# KiCad board Stima V4 Master.kicad_pcb
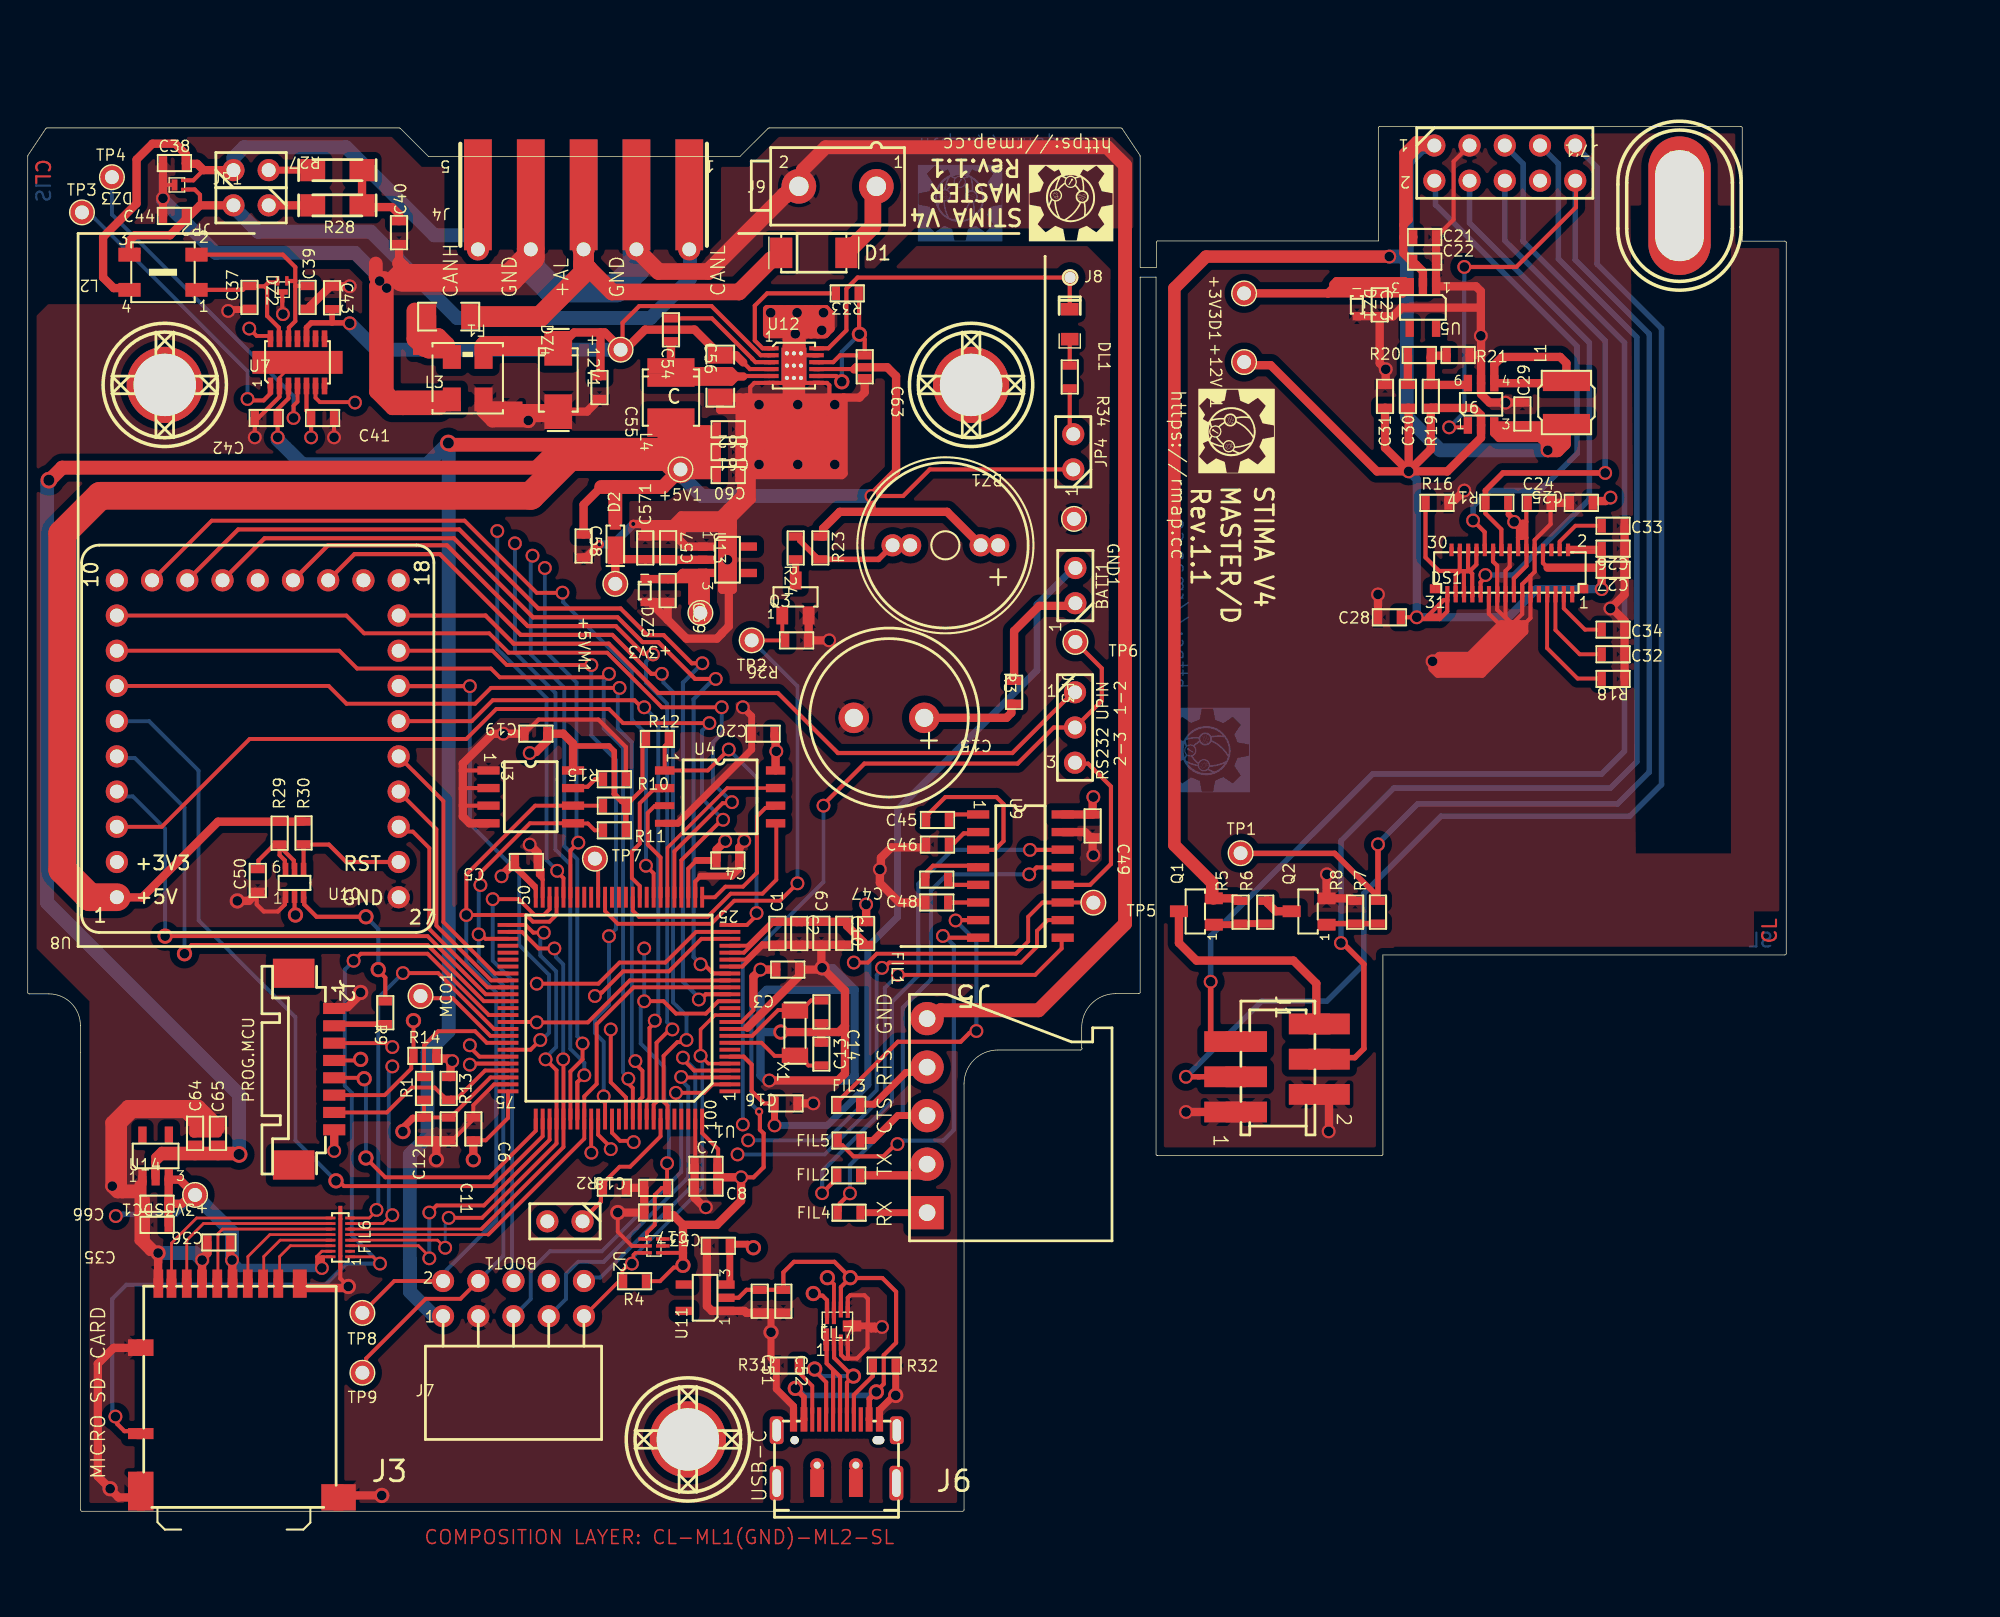
[diagram p0: board, top side]
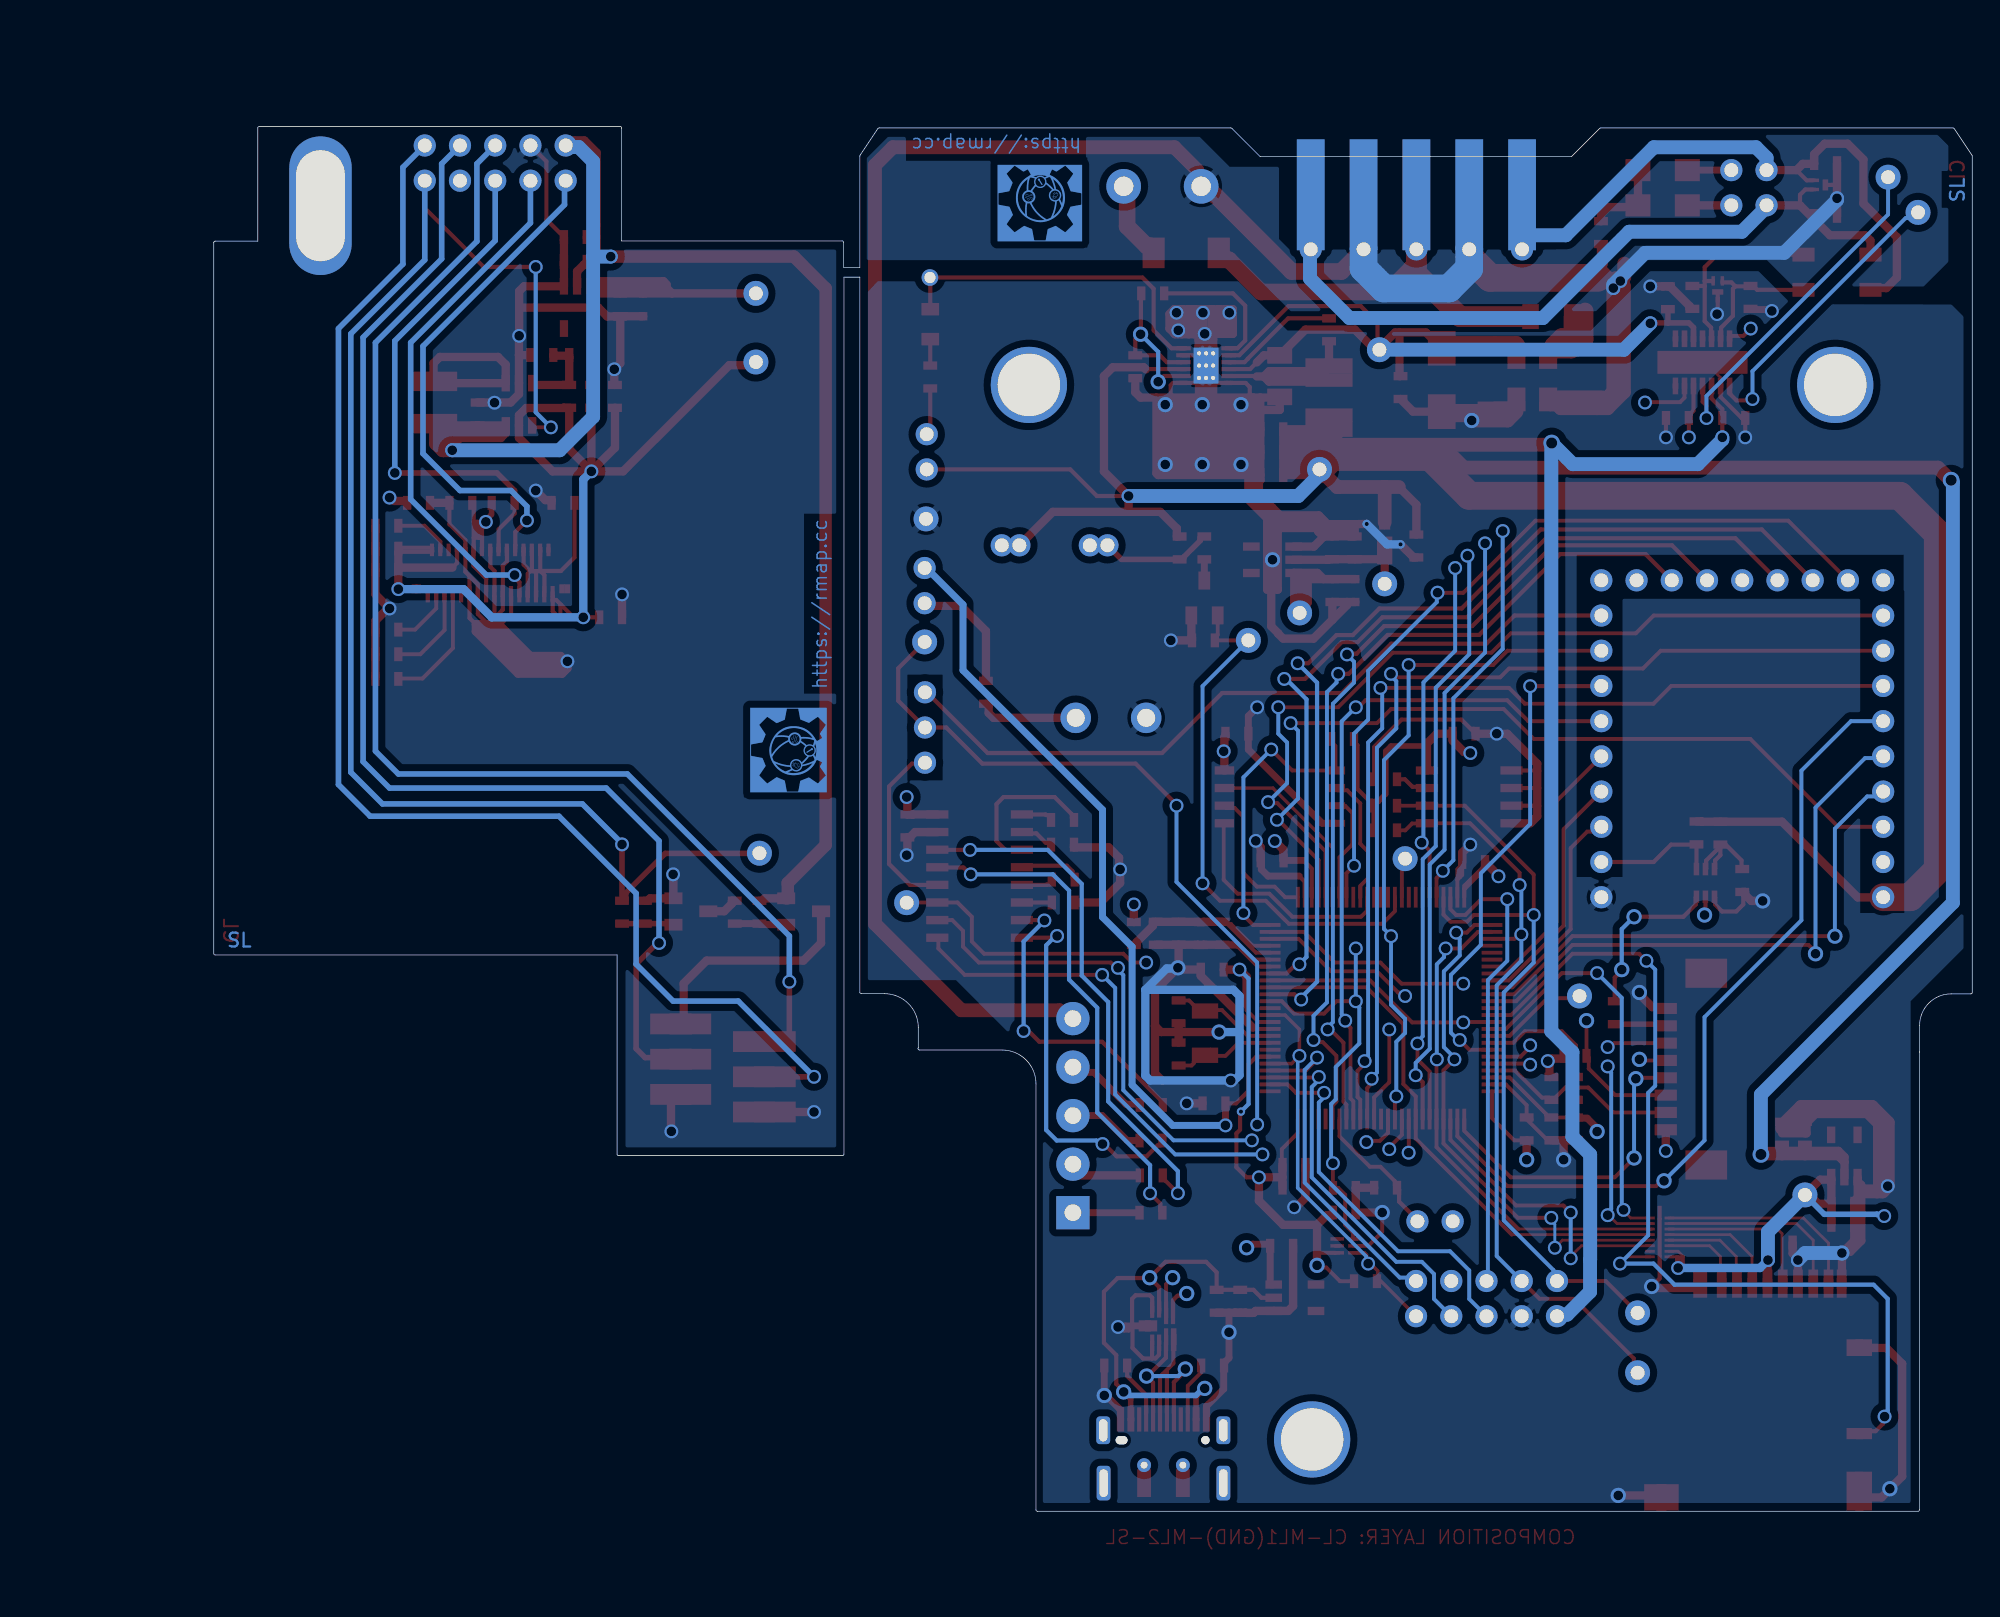
[diagram p1: board, bottom side, seen from below]

Outline 126.79 x 99.9 mm; copper layers: Top Layer, Layer 1, Mid-Layer 1, Mid-Layer 2, Layer 2, Bottom Layer. Coordinates in mm from the lower left corner of the outline.
Outline path: 0,97.76 0,37.42 arc(0.03,37.35) 0.1,37.32 1.52,37.32 arc(3.13,36.66) 3.8,35.05 3.8,35.05 3.81,33.12 3.81,0.1 arc(3.84,0.03) 3.91,0 67.41,0 arc(67.48,0.03) 67.51,0.1 67.51,30.83 arc(68.23,32.56) 69.95,33.27 75.92,33.27 arc(75.99,33.3) 76.02,33.37 75.99,33.44 75.99,34.9 arc(76.71,36.62) 78.43,37.34 80.09,37.34 80.1,37.34 arc(80.18,37.36) 80.21,37.44 80.21,89.03 81.36,89.03 81.36,25.75 arc(81.39,25.68) 81.47,25.65 81.48,25.65 97.61,25.65 arc(97.68,25.68) 97.71,25.75 97.71,40.13 126.69,40.13 arc(126.77,40.16) 126.79,40.23 126.79,91.52 126.79,91.53 arc(126.77,91.6) 126.69,91.63 123.62,91.63 123.62,99.8 arc(123.59,99.87) 123.52,99.9 97.48,99.9 arc(97.41,99.87) 97.38,99.8 97.38,91.64 81.48,91.64 arc(81.41,91.61) 81.38,91.54 81.38,89.74 80.21,89.74 80.21,97.76 80.19,97.82 78.91,99.75 78.82,99.79 53.46,99.79 53.39,99.76 51.36,97.74 28.89,97.74 26.86,99.76 26.79,99.79 1.39,99.79 1.3,99.75 0.02,97.82 0,97.76
Stack: Top Layer 0.035mm / dielectric 0.274mm FR4 er 4.5 / Layer 1 0.035mm / dielectric 0.274mm FR4 er 4.5 / Mid-Layer 1 0.035mm / dielectric 0.274mm FR4 er 4.5 / Mid-Layer 2 0.035mm / dielectric 0.274mm FR4 er 4.5 / Layer 2 0.035mm / dielectric 0.274mm FR4 er 4.5 / Bottom Layer 0.035mm

## Placement (name value [footprint] x y rotation side)
+3V3  TestPoint  [TP]  48.5 64.8 180 top
+3V3D1  TestPoint  [TP]  87.71 87.86 270 top
+3V3SDC1  TestPoint  [TP]  12.06 22.82 180 top
+5V1  TestPoint  [TP]  47.07 75.16 0 top
+5VM1  TestPoint  [TP]  42.37 66.9 270 top
+12V1  TestPoint  [TP]  42.75 83.79 270 top
+12VD1  TestPoint  [TP]  87.71 82.9 270 top
A1  ViteDado  [ViteDado4]  68.02 81.25 0 top
A2  ViteDado  [ViteDado4]  47.6 5.18 0 top
A3  ViteDado  [_Altium_ARGO_ARGO PcbLib-Trad1.PcbLib_ASOLA 4]  119.1 94.18 0 top
A4  ViteDado  [_Altium_ARGO_ARGO PcbLib-Trad1.PcbLib_ViteDado4]  9.88 81.25 0 top
BATT1  Strip 2p p.2.54  [STRIP2P]  75.54 65.51 90 top
BOOT1  Strip 2p p.2.54  [STRIP2P]  40 20.91 180 top
BZ1  F/UCW03 (2-5V)  [BUZZER TDK PS1240P02CT3]  69.98 69.68 180 top
C1  100nF  [0603]  54.05 40.87 90 top
C2  1uF  [0603]  55.63 42.5 270 top
C3  100nF  [0603]  55.63 39.08 180 top
C4  100nF  [0603]  51.31 46.95 180 top
C5  100nF  [0603]  36.78 46.84 180 top
C6  100nF  [0603]  32.13 28.41 270 top
C7  100nF  [0603]  48.08 24.99 0 top
C8  4.7uF  [0603]  48.08 23.34 0 top
C9  100nF  [0603]  57.23 40.87 90 top
C10  1uF  [0603]  58.88 42.52 270 top
C11  100nF  [0603]  30.35 28.41 270 top
C12  4.7uF  [0603]  28.57 26.76 90 top
C13  15pF  [0603]  57.22 32.16 90 top
C14  15pF  [0603]  57.22 36.85 270 top
C15  0.1F 5V5 FC0H104ZFTBR24  [CapELSUPERCAP-3D FT0H104ZF]  64.64 57.24 180 top
C16  100nF  [0603]  55.5 29.42 180 top
C17  100nF  [0603]  46.1 21.55 180 top
C18  100nF  [0603]  46.1 23.33 180 top
C19  100nF  [0603]  37.46 56.09 180 top
C20  100nF  [0603]  53.85 56.09 180 top
C21  1uF  [0603]  99.9 91.92 0 top
C22  100nF  [0603]  99.9 90.14 0 top
C23  1uF  [0603]  97.48 87.86 270 top
C24  100nF  [0603]  108.15 72.74 0 top
C25  100nF  [0603]  112.85 72.74 180 top
C26  1uF  [0603]  115.14 69.44 180 top
C27  100nF  [0603]  115.14 67.92 180 top
C28  100nF  [0603]  97.36 64.49 0 top
C29  1uF  [0603]  107.77 78.33 90 top
C30  22pF  [0603]  99.52 79.6 90 top
C31  1uF  [0603]  97.87 79.6 90 top
C32  4.7uF  [0603]  113.49 61.82 0 top
C33  4.7uF  [0603]  113.49 71.09 0 top
C34  4.7uF  [0603]  113.49 63.6 0 top
C35  4.7uF  [0603]  10.16 20.66 180 top
C36  100nF  [0603]  14.6 19.39 180 top
C37  220pF  [0603]  15.99 86.74 90 top
C38  220pF  [0603]  9.75 97.26 0 top
C39  220pF  [0603]  20.18 86.74 90 top
C40  100nF  [0603]  26.77 91.41 90 top
C41  100nF  [0603]  20.43 78.87 0 top
C42  100nF  [0603]  18.02 78.87 180 top
C43  100nF  [0603]  21.94 88.37 270 top
C44  220pF  [0603]  9.75 93.45 0 top
C45  100nF  [0603]  64.77 49.87 0 top
C46  100nF  [0603]  64.77 48.09 0 top
C47  100nF  [0603]  66.37 45.57 180 top
C48  100nF  [0603]  64.72 43.92 0 top
C49  100nF  [0603]  76.78 50.27 270 top
C50  100nF  [0603]  16.59 44.68 90 top
C51  1uF  [0603]  52.78 15.98 270 top
C52  100nF  [0603]  54.48 15.98 270 top
C53  1uF  [0603]  50.62 19.15 180 top
C54  100nF  [0603]  46.38 86.05 270 top
C55  1nF  [0603]  41.22 81.89 270 top
C56  4.7uF 35V  [1206]  49.94 83.39 270 top
C57  10uF  [0603]  46.18 68.68 90 top
C58  100nF  [0603]  40.08 70.46 270 top
C59  1uF  [0603]  46.14 67.24 270 top
C60  10uF  [0603]  51.33 74.75 180 top
C61  10uF  [0603]  51.33 76.4 180 top
C62  10uF  [0603]  51.33 78.05 180 top
C63  1uF  [0603]  60.35 83.39 270 top
C64  1uF  [0603]  12.06 26.44 90 top
C65  100nF  [0603]  13.72 26.44 90 top
C66  1uF  [0603]  10.15 22.18 180 top
C571  NM  [0603]  44.53 68.67 90 top
D1  S1M  [QMELFD]  54.33 90.78 0 top
D2  MSS1P6-M3_89A  [MICROSMP]  42.37 69.32 90 top
DL1  VERDE  [0805-led]  75.13 86.71 270 top
DS1  REX160128AYPP3N00000  [CONN FPC_FFC 31P P0.3 REVERSE-MIO]  111.36 66.35 0 top
DZ1  PESD5Z3.3  [SOD 523(SC-79)]  95.83 87.86 270 top
DZ2  ESDCAN03-2BM3Y  [QFN-3L-DFN1110-MIO]  18.35 87.6 270 top
DZ3  ESDCAN03-2BM3Y  [QFN-3L-DFN1110-MIO]  10.23 95.68 180 top
DZ4  SMAJ28A  [SMA]  38.25 83.89 270 top
DZ5  PESD5Z3.3  [SOD 523(SC-79)]  44.49 67.24 270 top
F1  MF-NSMF150  [1206]  31.85 86.18 180 top
FIL1  BLM18BD102SN1D  [0603]  60.45 42.5 270 top
FIL2  BLM18BD102SN1D  [0603]  58.37 24.23 0 top
FIL3  BLM18BD102SN1D  [0603]  58.37 29.31 0 top
FIL4  BLM18BD102SN1D  [0603]  58.39 21.54 0 top
FIL5  BLM18BD102SN1D  [0603]  58.39 26.74 0 top
FIL6  EMIF06-MSD02N16  [EMIF06MSD02N16-MIO]  23.11 18.36 90 top
FIL7  EMI2121MTTAG  [WDFN8 - MIO]  57.58 12.6 0 top
GND1  TestPoint  [TP]  75.44 71.59 270 top
J1  ENCODER+PB  [CONN MICROMATCH6PF MIO]  87.86 28.8 270 top
J2  Pico Blade 8p 53398-0871  [MOLEX8P1_25SMD]  22.1 36.27 270 top
J3  101019966912A AMPHENOL  [SD CARD MICRO HIROSE MIO]  18.07 16.1 0 top
J4  5P BUS  [CONTATTI5]  47.7 94.97 180 top
J5  5P  [_Altium_ARGO_ARGO PcbLib-Trad1.PcbLib_CONN_5P-P3_5]  64.85 21.54 180 top
J6  USB TYPE C DX07S016JA3R1500  [USB TYPE C 16PIN MIO]  55.22 6.25 0 top
J7  Strip 5x2-DF 90 p.2.54  [_Altium_Library_ARGO_ARGO PcbLib-Trad1.PcbLib_STRIP2F5X2P2_54_90]  29.95 14.07 0 top
J7'1  Strip 5x2-DF p.2.54  [_Altium_Library_ARGO_ARGO PcbLib-Trad1.PcbLib_STRIP2F5X2P2_54REVERSE]  111.58 98.53 180 top
J8  VIAS1  [VIAS0_8]  75.16 89 0 top
J9  MOLEX MiniFit 2p  [_Altium_Library_ARGO_ARGO Passive Component.IntLib_MOLEX2-V]  61.19 95.58 0 top
JP1  Strip 2p PTH  [STRIP2P]  14.83 96.75 0 top
JP2  Strip 2p PTH  [STRIP2P]  17.37 94.21 180 top
JP3  Strip 3p PTH  [STRIP3PP254]  75.51 59.08 270 top
JP4  Strip 2p PTH  [STRIP2P]  75.39 75.16 90 top
L1  TYS4018100M-10  [COIL LAIRD TYS4018]  110.95 78.46 90 top
L2  ACT45B-110-2P-TL003  [ACT45B TDK-MIO]  12.17 88.11 180 top
L3  DLW5BTM142TQ2L  [FILTRO DLW5B MIO]  30.07 83.77 0 top
L4  XAL4020-2.2uH  [COIL COILCRAFT XAL4020-MIO]  46.38 81.61 270 top
MCO1  TestPoint  [TP]  28.32 37.17 90 top
Q1  BC807  [SOT23]  85.52 42.32 90 top
Q2  BSS138P  [SOT23]  93.65 42.32 90 top
Q3  BSS138P  [SOT23]  54.41 64.63 0 top
R1  NM  [0603]  28.57 29.68 90 top
R2  100K  [0603]  43.13 23.34 180 top
R3  1K  [0603]  71.12 59.9 270 top
R4  100K  [0603]  42.93 16.6 0 top
R5  10K  [0603]  87.45 42.39 90 top
R6  1K  [0603]  89.23 42.39 90 top
R7  100R  [0603]  97.36 42.39 90 top
R8  10K  [0603]  95.71 42.39 90 top
R9  0R  [0603]  25.78 36.79 270 top
R10  4K7  [0603]  41.48 50.9 0 top
R11  4K7  [0603]  41.48 49.12 0 top
R12  10K  [0603]  44.58 55.71 0 top
R13  100K  [0603]  30.35 29.68 90 top
R14  10K  [0603]  27.81 32.85 0 top
R15  10K  [0603]  43.13 52.81 180 top
R16  10K  [0603]  100.79 72.74 0 top
R17  10K  [0603]  106.76 72.74 180 top
R18  810K  [0603]  115.14 60.04 180 top
R19  110K  [0603]  101.17 79.6 90 top
R20  2K2  [0603]  99.52 83.41 0 top
R21  10K  [0603]  102.31 83.41 0 top
R23  1K  [0603]  57.15 68.67 90 top
R24  0R  [0603]  55.37 70.32 270 top
R26  10K  [0603]  56.26 62.82 180 top
R27  MMA0204 60R4  [MELFRESMMA0204]  24.1 96.75 180 top
R28  MMA0204 60R4  [MELFRESMMA0204]  20.55 94.21 0 top
R29  200K  [0603]  18.16 48.09 90 top
R30  10K  [0603]  19.89 48.11 90 top
R31  5K11  [0603]  53.95 10.51 0 top
R32  5K11  [0603]  60.93 10.51 0 top
R33  10K  [0603]  59.92 87.86 180 top
R34  1K  [0603]  75.13 82.65 270 top
TP1  TestPoint  [TP]  87.45 47.47 0 top
TP2  TestPoint  [TP]  52.2 62.82 0 top
TP3  TestPoint  [TP]  3.91 93.7 0 top
TP4  TestPoint  [TP]  6.07 96.24 0 top
TP5  TestPoint  [TP]  76.83 43.9 0 top
TP6  TestPoint  [TP]  75.54 62.71 0 top
TP7  TestPoint  [TP]  40.89 47.08 0 top
TP8  TestPoint  [TP]  24.13 14.31 0 top
TP9  TestPoint  [TP]  24.13 9.99 0 top
U1  STM32L496VGT6  [LQFP100P05]  50.63 30.29 180 top
U2  STM6519APAAUB6F  [UDFN6 - MIO]  44.65 19.64 270 top
U3  CAT24C64WI  [SO8]  33.22 53.44 270 top
U4  AT25SF641B-SHB-B  [SO8W]  45.92 53.44 0 top
U5  ST732M33R  [SOT23_5]  101.55 88.37 180 top
U6  R1202N513B-TR-FE  [SOT23_6]  103.84 78.33 0 top
U7  TJA1443ATK  [HVSON14 MIO]  17.5 81.38 0 top
U8  UPIN27  [UPIN27_OK]  6.43 44.3 180 top
U9  TRSF3232EIDR  [SO16]  68.53 50.27 270 top
U10  LSF0101GM  [SOT363(SC70)]  18.59 44.33 0 top
U11  ST732M33R  [SOT23_5]  50.37 14.45 90 top
U12  MAX20077ATCA/VY+  [TDFN 12L MIO]  53.49 83.89 0 top
U13  ST732M33R  [SOT23_5]  48.93 69.59 270 top
U14  ST732M33R  [SOT23_5]  8.27 24.1 0 top
X1  32.768KHz  [CRYST_ECS]  55.32 36.09 270 top

## Library data of the parts
+3V3 +3V3D1 +3V3SDC1 +5V1 +5VM1 +12V1 +12VD1 GND1 MCO1 TP1-TP9 = -: Description: test point
A1-A4 = -: Description: Foro di fissaggio scheda
BATT1 BOOT1 = -: Description: Strip 2p
BZ1 = -: Description: Buzzer trad.; ALTIUM_UNNAMED_1: DIGISOUND
C1 C3-C7 C9 C11 C13 C14 C16-C19 C22 C30 C37-C49 C52 C54 C55 C58 C65 = -: Description: Ceramic Chip Capacitor - Standard; PACKAGE REFERENCE: 0603; TYPE: Multistrato X5R/X7R; VOLTAGE: 50V
C2 C8 C10 C12 C60-C63 = -: Description: Ceramic Chip Capacitor - Standard; ALTIUM_VALUE: 100nF; PACKAGE REFERENCE: 0603; TYPE: Multistrato X5R/X7R; VOLTAGE: 50V
C15 = -: Description: Elettrolitico SMD FC0H104ZFTBR24 KEMET; ALTIUM_UNNAMED_1: KEMET FC0H104ZFTBR24; ALTIUM_VALUE: 0.1F; PACKAGE REFERENCE: 10.5x10.5; TYPE: Elettrolitico; VOLTAGE: 5V5
C20 = -: Description: Ceramic Chip Capacitor - Standard; PACKAGE REFERENCE: 0603; TYPE: Multistrato C0G/X5R/X7R; VOLTAGE: 50V
C21 C23-C29 C31-C36 C50 C51 C53 C59 C64 C66 = -: Description: Ceramic Chip Capacitor - Standard; PACKAGE REFERENCE: 0603; TYPE: Multistrato X5R/X7R; VOLTAGE: 20V
C56 = -: Description: Ceramic Chip Capacitor - Standard; ALTIUM_VALUE: 4.7uF; PACKAGE REFERENCE: 1206; VOLTAGE: 35V
C57 = -: Description: Ceramic Chip Capacitor - Standard; ALTIUM_VALUE: 1uF; PACKAGE REFERENCE: 0603; TYPE: Multistrato X5R/X7R; VOLTAGE: 20V
C571 = -: Description: Ceramic Chip Capacitor - Standard; ALTIUM_VALUE: 10uF; PACKAGE REFERENCE: 0603; TYPE: Multistrato X5R/X7R; VOLTAGE: 20V
D1 = -: Description: 1N40..Standard Recovery Rectifier; PACKAGE REFERENCE: QMELF
D2 = -: Description: Schottky SMD 1A DO214AC; PACKAGE REFERENCE: DO-214AC
DL1 = -: Description: Typical RED, GREEN, YELLOW, AMBER GaAs LED; PACKAGE REFERENCE: Smd 0805
DS1 = -: Description: Display Raystar OLED grafico 1.92" Yellow
DZ1 DZ5 = -: Description: Transil  Low capacitance unidirectional ElectroStatic Discharge (ESD) protection diodes; PACKAGE REFERENCE: SOD523
DZ2 DZ3 = -: Description: Bidirectional dual-line ESD and EOS protection; PACKAGE REFERENCE: QFN-3L also called DFN1110
DZ4 = -: Description: Transil 400mW SMAJ..; ALTIUM_VALUE: SMAJ; PACKAGE REFERENCE: DO-214AC
F1 = -: Description: Polyswitch; ALTIUM_VALUE: MF-NSMF110-2; PACKAGE REFERENCE: 1206; TYPE: Bourns
FIL1 = -: Description: Chip ferrite; PACKAGE REFERENCE: 0603; TYPE: BLM18BD102SN1D  MURATA
FIL2-FIL5 = -: Description: Chip ferrite; PACKAGE REFERENCE: 0603; TYPE: BLM18BD  MURATA
FIL6 = -: Description: Filter; ARROW PRICE/STOCK: https://www.arrow.com/en/products/emif06-msd02n16/stmicroelectronics?region=nac; DATASHEET LINK: http://www.st.com/content/ccc/resource/technical/document/datasheet/a7/86/d3/98/2c/7f/4b/d2/CD00217829.pdf/files/CD00217829.pdf/jcr:content/translations/en.CD00217829.pdf; HEIGHT: 0mm; MANUFACTURER_NAME: STMicroelectronics; MOUSER PART NUMBER: 511-EMIF06-MSD02N16; MOUSER PRICE/STOCK: https://www.mouser.co.uk/ProductDetail/STMicroelectronics/EMIF06-MSD02N16?qs=1CGoW%2F3pMwpSqVuN8kmN4Q%3D%3D
FIL7 = -: Description: Filtro integrato EMI/ESD x USB2.0; PACKAGE REFERENCE: WDFN8
J1 = -: Description: Connettore 7-338069-6
J2 = -: Description: Connettore Pico Blade Molex p.1.25 8p 53398-0871; CODE: 53261-0871 Right Angle (90); CODE1: 53398-0871  Vertical; MANUFACTURING: Molex; SERIES: Pico Blade
J3 = -: Description: Connettore  x Micro SD CARD HIROSE DM3AT-SF-PEJM5(40)
J4 = -: Description: Contatti 5p p3.81; PACKAGE REFERENCE: Trad.; TYPE: Sauro
J5 = -: Description: Mors. 5p p3.81; PACKAGE REFERENCE: PTH; TYPE: Sauro
J6 = -: Description: Connettore USB C JAE DX07S016JA3R1500; CODE: JAE DX07S016JA3R1500
J7 J7'1 = -: Description: Strip 10p  DF (5X2)
J8 = -: Description: Foro 0.8mm
J9 = -: Description: Molex 2p MiniFit vert. 5566-02A; CODE VERT.: 5566-02A
JP1 JP2 JP4 = -: PACKAGE REFERENCE: PTH
JP3 = -: Description: Jumper 3pos. saldare; PACKAGE REFERENCE: PTH
L1 = -: Description: Coil SMD piccoli; ALTIUM_VALUE: 10uH; PACKAGE REFERENCE: SMD; TYPE: Laird
L2 = -: Description: Common mode filters TDK; PACKAGE REFERENCE: SMD
L3 = -: Description: Common Mode Choke Coil DLW5BTM142; PACKAGE REFERENCE: SMD
L4 = -: Description: Coil Coilcraft XAL 4020
Q1 = -: Description: PNP General-purpose Transistor; PACKAGE REFERENCE: SOT23
Q2 = -: Description: Mosfet N-Channel Sot23
Q3 = -: Description: Mosfet N-Channel Sot23; PACKAGE REFERENCE: SOT23
R1 = -: Description: Resistor 0603; ALTIUM_VALUE: 1K; PACKAGE REFERENCE: 0603; POWER: 1/10W; PRECISION: 1%
R2 R10 R11 R15 R34 = -: Description: Resistor 0603; ALTIUM_VALUE: 4K75; PACKAGE REFERENCE: 0603; POWER: 1/8W; PRECISION: 5%
R3-R8 R16-R21 R23 R24 R26 R29-R33 = -: Description: Resistor 0603; PACKAGE REFERENCE: 0603; POWER: 1/10W; PRECISION: 1%
R9 R12 = -: Description: Resistor 0603; PACKAGE REFERENCE: 0603; POWER: 1/8W; PRECISION: 5%
R13 = -: Description: Resistor 0603; PACKAGE REFERENCE: 0603; POWER: 1/8W; PRECISION: 1%
R14 = -: Description: Resistor 0603; ALTIUM_VALUE: 100K; PACKAGE REFERENCE: 0603; POWER: 1/8W; PRECISION: 1%
R27 R28 = -: Description: Resistor Melf MMA 0204; ALTIUM_VALUE: 60R4; PACKAGE REFERENCE: MELF; POWER: 0.4W; PRECISION: 1%
U1 = -: Description: Arm Cortex-M4 32-bit MCU+FPU,100DMIPS, up to 1MB Flash, 320KB SRAM, USB OTG FS; PACKAGE REFERENCE: LQFP100
U2 = -: Description: Single-pin push button Smart Reset; COD. 10": STM6519AUARUB6F; PACKAGE REFERENCE: UDFN6
U3 = -: Description: E2CBUS 64k; PACKAGE REFERENCE: SO8
U4 = -: Description: SPI Serial Flash Memory with Dual-I/O and Quad-IO Support; PACKAGE REFERENCE: SO8W
U5 U11 U13 U14 = -: Description: Low-dropout voltage regulator, with 5 uA quiescent current 300 mA 28 V; PACKAGE REFERENCE: SOT23-5
U6 = -: Description: STEP-UP DC/DC Converter with Shutdown Function; PACKAGE REFERENCE: SOT23-6
U7 = -: Description: High-speed CAN transceiver with Sleep mode; PACKAGE: AT=SO14; PACKAGE REFERENCE: HVSON14
U8 = -: Description: Upin 27 p.2.54
U9 = -: Description: 2 Ch. RS-232 1-Mbit/s Line Driver and Reciever with ±15-kV IEC ESD; PACKAGE REFERENCE: SOIC16
U10 = -: Description: 1-bit bidirectional level translator; PACKAGE REFERENCE: SOT363
U12 = -: Description: 36V, 2.5A Mini Buck Converters with 3.5uA IQ; PACKAGE REFERENCE: TDFN12L
X1 = -: Description: Quarzo SMD FC-135 32.7680KA-A3 EPSON; PACKAGE REFERENCE: SMD 3.2X1.5mm

## Footprints (pads in the part's own frame, mm; a bottom-side part is the same pattern mirrored in y, then rotated)
0603
  rect 0.6x1 smd: 1(0,0) 2(1.651,0)
0805-led
  rect 0.9x1.27 smd: 1(0,0) 2(2.159,0)
1206
  rect 1.2x1.8 smd: 1(0,0) 2(3,0)
_Altium_ARGO_ARGO PcbLib-Trad1.PcbLib_ASOLA 4
  oval 4.5x10 hole 3.5x8: 1(0,0)
_Altium_ARGO_ARGO PcbLib-Trad1.PcbLib_CONN_5P-P3_5
  rect 2.4x2.4 hole 1.2: 1(0,0)
  round 2.4 hole 1.2: 2(0,-3.5) 3(0,-7) 4(0,-10.5) 5(0,-14)
_Altium_ARGO_ARGO PcbLib-Trad1.PcbLib_ViteDado4
  round 5.5 hole 4.5: 1(0,0)
_Altium_Library_ARGO_ARGO Passive Component.IntLib_MOLEX2-V
  round 2.5 hole 1.4: 1(0,0) 2(-5.588,0)
_Altium_Library_ARGO_ARGO PcbLib-Trad1.PcbLib_STRIP2F5X2P2_54_90
  round 1.6 hole 1: 1(0,0) 2(0,2.54) 3(2.54,0) 4(2.54,2.54) 5(5.08,0) 6(5.08,2.54) 7(7.62,0) 8(7.62,2.54) 9(10.16,0) 10(10.16,2.54)
_Altium_Library_ARGO_ARGO PcbLib-Trad1.PcbLib_STRIP2F5X2P2_54REVERSE
  round 1.6 hole 1: 1(10.16,0) 2(10.16,2.54) 3(7.62,0) 4(7.62,2.54) 5(5.08,0) 6(5.08,2.54) 7(2.54,0) 8(2.54,2.54) 9(0,0) 10(0,2.54)
ACT45B TDK-MIO
  rect 1.6x1 smd: 1(0,0) 2(0,-2.54) 3(4.826,-2.54) 4(4.826,0)
BUZZER TDK PS1240P02CT3
  round 1.6 hole 1: 1(0,0) 1(1.27,0) 2(6.35,0) 2(7.62,0)
CapELSUPERCAP-3D FT0H104ZF
  round 2.2 hole 1.3: 1(0,0) 2(5.08,0)
COIL COILCRAFT XAL4020-MIO
  rect 1.1x3.4 smd: 1(-1.016,0) 2(3.556,0)
  rect 0.98x3.4 smd: 1(0,0) 2(2.54,0)
COIL LAIRD TYS4018
  rect 1.4x3.4 smd: 1(0,0) 2(3.048,0)
CONN FPC_FFC 31P P0.3 REVERSE-MIO
  rect 0.4x0.65 smd: (-10.067,0.203) (-9.686,0.203) (0.7,0.2) (0.954,0.2)
  rect 0.3x0.8 smd: 1(0,0) 1(0,-0.381) 3(-0.6,0) 3(-0.6,-0.381) 5(-1.2,0) 5(-1.2,-0.381) 7(-1.8,0) 7(-1.8,-0.381) 9(-2.4,0) 9(-2.4,-0.381) 11(-3,0) 11(-3,-0.381) 13(-3.6,0) 13(-3.6,-0.381) 15(-4.2,0) 15(-4.2,-0.381) 17(-4.8,0) 17(-4.8,-0.381) 19(-5.4,0) 19(-5.4,-0.381) 21(-6,0) 21(-6,-0.381) 23(-6.6,0) 23(-6.6,-0.381) 25(-7.2,0) 25(-7.2,-0.381) 27(-7.8,0) 27(-7.8,-0.381) 29(-8.4,0) 29(-8.4,-0.381) 31(-9,0) 31(-9,-0.381)
  rect 0.3x0.65 smd: 2(-0.3,3.134) 2(-0.3,2.88) 4(-0.9,3.134) 4(-0.9,2.88) 6(-1.5,3.134) 6(-1.5,2.88) 8(-2.1,3.134) 8(-2.1,2.88) 10(-2.7,3.134) 10(-2.7,2.88) 12(-3.3,3.134) 12(-3.3,2.88) 14(-3.9,3.134) 14(-3.9,2.88) 16(-4.5,3.134) 16(-4.5,2.88) 18(-5.1,3.134) 18(-5.1,2.88) 20(-5.7,3.134) 20(-5.7,2.88) 22(-6.3,3.134) 22(-6.3,2.88) 24(-6.9,3.134) 24(-6.9,2.88) 26(-7.5,3.134) 26(-7.5,2.88) 28(-8.1,3.134) 28(-8.1,2.88) 30(-8.7,3.134) 30(-8.7,2.88)
CONN MICROMATCH6PF MIO
  rect 1.5x3 smd: 1(0,0) 1(0,-1.524) 2(-1.27,5.969) 2(-1.27,4.572) 3(-2.54,0) 3(-2.54,-1.524) 4(-3.81,5.969) 4(-3.81,4.572) 5(-5.08,0) 5(-5.08,-1.524) 6(-6.35,5.969) 6(-6.35,4.572)
CONTATTI5
  round 1.6 hole 1: 1(0,3.937) 2(3.81,3.937) 3(7.62,3.937) 4(11.43,3.937) 5(15.24,3.937)
  rect 2x8 smd: 1(0,0) 2(3.81,0) 3(7.62,0) 4(11.43,0) 5(15.24,0)
  rect 2x8 smd far side: 1(0,0) 2(3.81,0) 3(7.62,0) 4(11.43,0) 5(15.24,0)
CRYST_ECS
  rect 1.1x1.9 smd: 1(0,0) 2(3.2,0)
EMIF06MSD02N16-MIO
  rect 0.2x0.45 smd: 1(0,0) 1(0,-0.254) 2(0.4,0) 2(0.4,-0.254) 3(0.8,0) 3(0.8,-0.254) 4(1.2,0) 4(1.2,-0.254) 5(1.6,0) 5(1.6,-0.254) 6(2,0) 6(2,-0.254) 7(2.4,0) 7(2.4,-0.254) 8(2.8,0) 8(2.8,-0.254) 9(2.8,1.404) 9(2.8,1.15) 10(2.4,1.404) 10(2.4,1.15) 11(2,1.404) 11(2,1.15) 12(1.6,1.404) 12(1.6,1.15) 13(1.2,1.404) 13(1.2,1.15) 14(0.8,1.404) 14(0.8,1.15) 15(0.4,1.404) 15(0.4,1.15) 16(0,1.404) 16(0,1.15)
  rect 1x0.3 smd: 17(-0.378,0.575) 17(3.178,0.575)
  rect 2.8x0.3 smd: 17(1.4,0.575)